# KiCad board visionboard.kicad_pcb (continued)
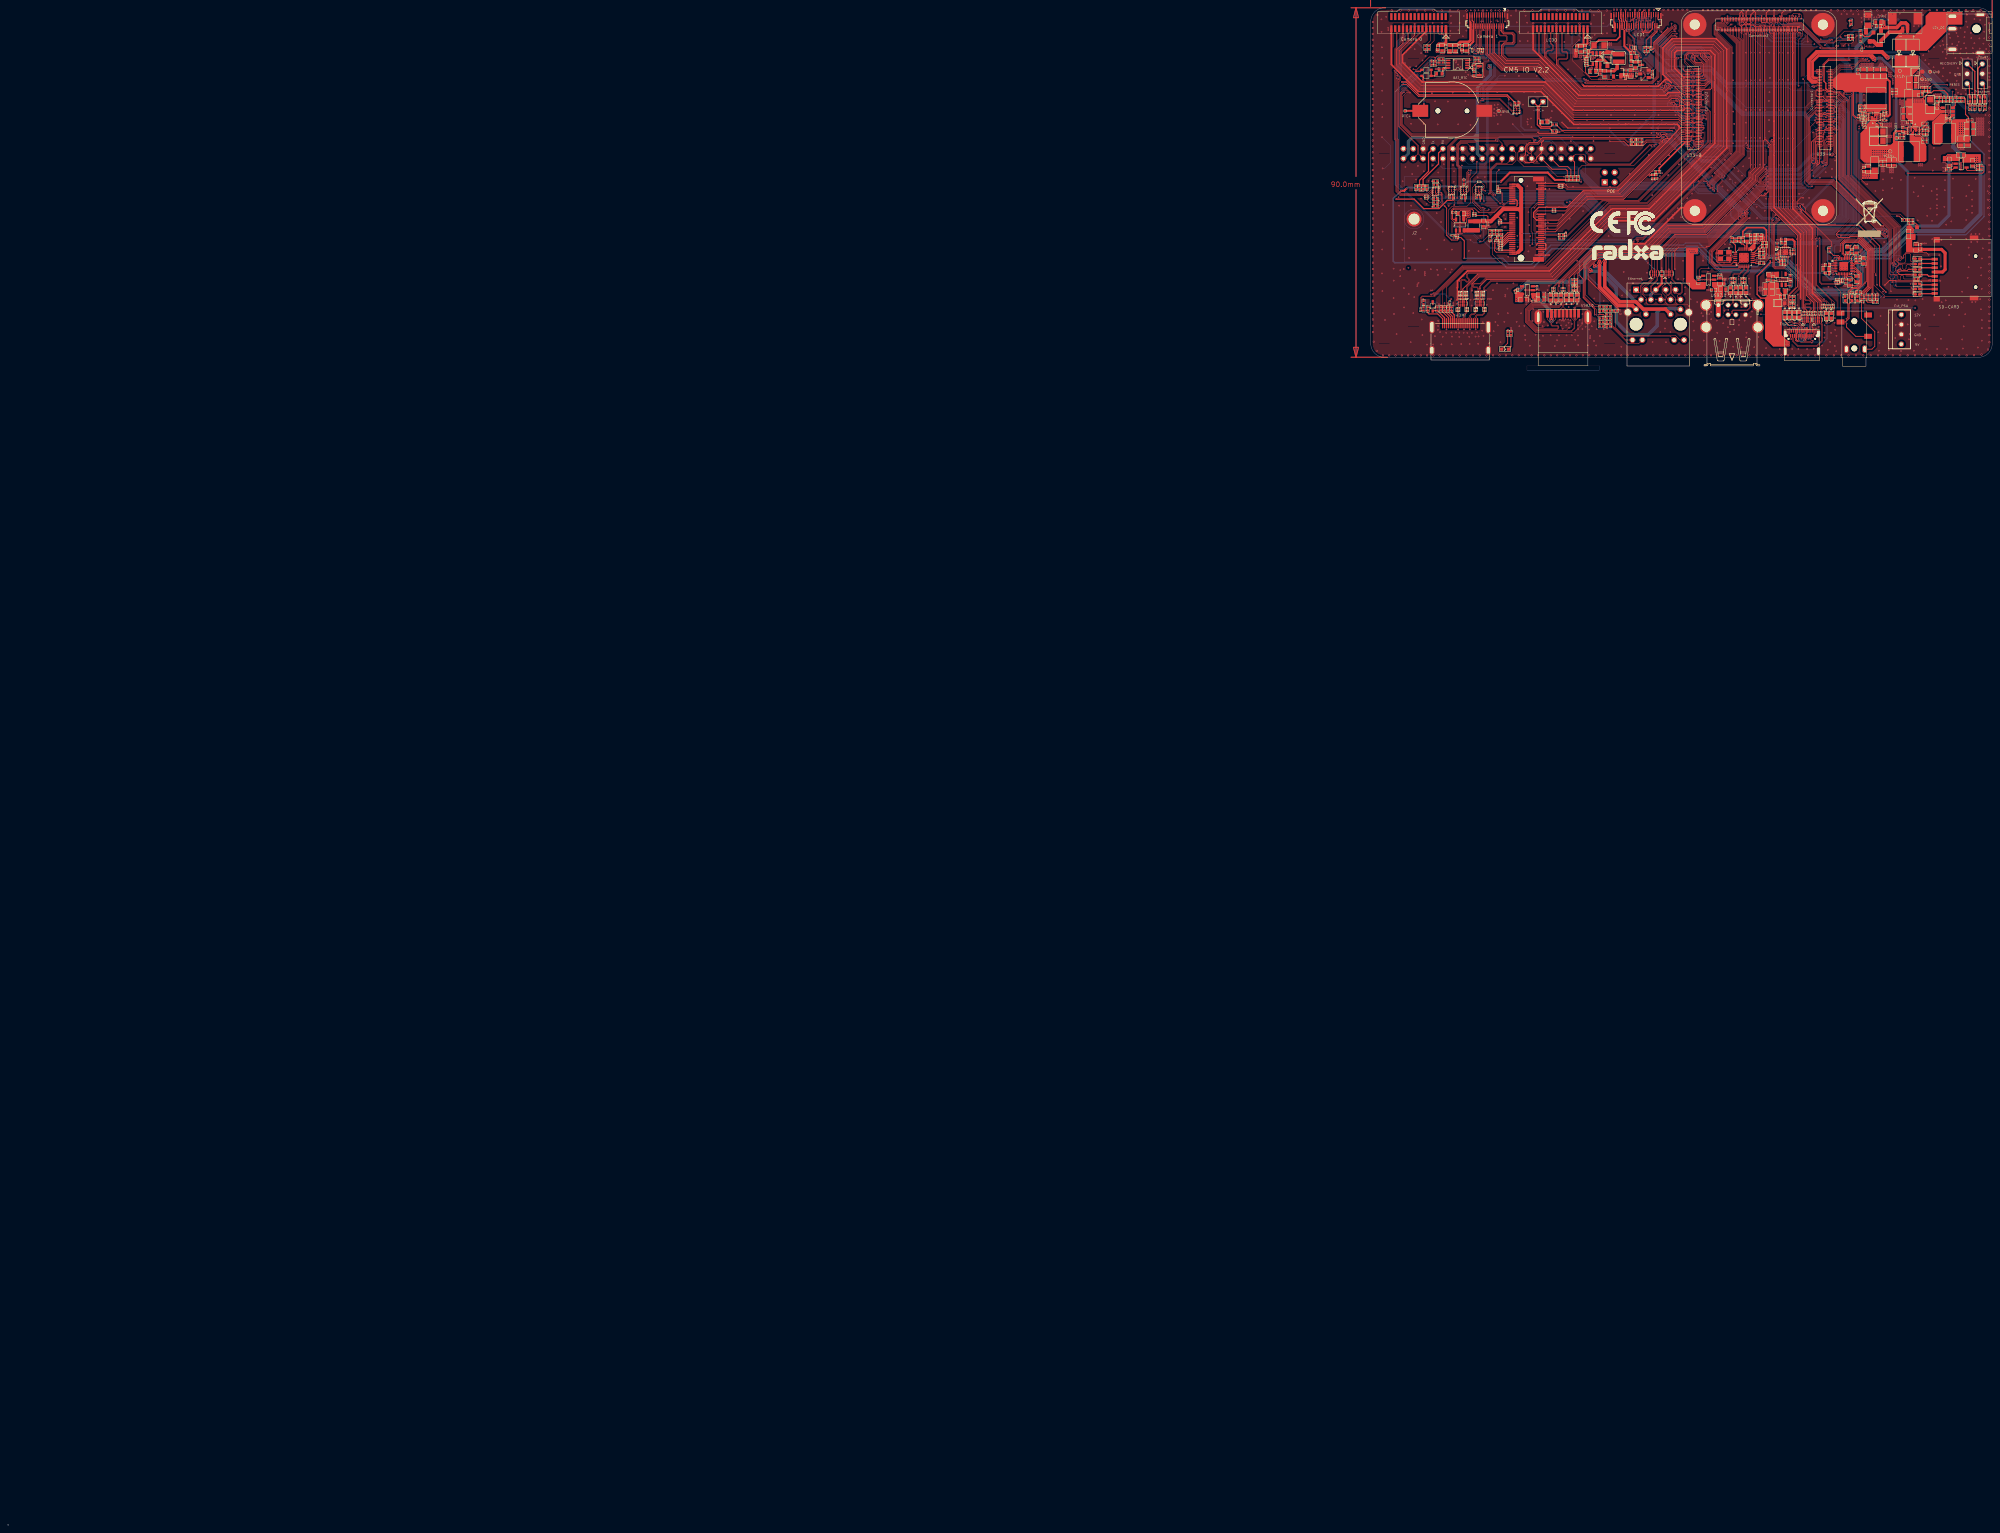
[diagram p0: board, top side]
## Routing (per net, layer and track width the routed paths; a pad name or vN(x,y) marks a point on that pad's centre or on a via; arc(x,y) is an arc through that point) (continued)
  Bottom w0.1: v1(452.73,345.69) 452.88,345.54 461.78,345.54 466.96,350.72 v1(466.96,351.14)
PHY1_MDI2-: length 71.3
  Top w0.1: v1(467.31,350.74) 467.31,351.04 467.81,351.54 467.81,356.47 468.21,356.87 468.66,356.87 468.75,356.78 U33.9 ; v1(452.73,345.19) 452.7,345.19 437.88,330.37 430.09,330.37 427.03,327.31 427.03,323.22 427.19,323.07 U6.9 U6.2 427.19,321.69 427.03,321.54 427.03,320.37 428.23,319.17 428.23,317.37 427.63,316.77 427.31,316.77 427.11,316.57 427.11,316.07 427.53,315.65 J3.8
  Bottom w0.1: v1(467.31,350.74) 461.91,345.34 452.88,345.34 v1(452.73,345.19)
PHY1_MDI3+: length 71.2
  Top w0.1: U33.3 468.67,355.58 468.43,355.34 468.43,350.74 468.11,350.42 v1(468.01,350.42) ; v1(452.83,344.39) 452.67,344.23 452.3,344.23 437.92,329.84 430.31,329.84 428.33,327.86 428.33,323.21 428.19,323.07 U6.7 U6.4 428.19,321.67 428.33,321.52 428.33,320.87 429.38,319.82 430.62,319.82 430.93,319.51 430.93,317.58 430.5,317.14 429.18,317.14 428.93,317.39 428.93,318.04 429.07,318.19 J3.9
  Bottom w0.1: v1(468.01,350.42) 468.16,350.27 468.16,349.99 462.66,344.49 452.93,344.49 v1(452.83,344.39)
PHY1_MDI3-: length 71.4
  Top w0.1: J3.10 430.55,315.65 429.88,316.32 429.88,316.72 430.11,316.94 430.58,316.94 431.13,317.49 431.13,319.59 430.71,320.02 429.48,320.02 428.56,320.94 428.56,321.56 428.69,321.69 U6.5 U6.6 428.69,323.07 428.53,323.22 428.53,327.76 430.39,329.62 437.98,329.62 452.38,344.03 452.68,344.03 v1(452.83,343.88) ; U33.5 468.76,355.98 468.23,355.45 468.23,350.99 468.12,350.88 v1(468.08,350.92)
  Bottom w0.1: v1(452.83,343.88) 453.25,344.29 462.76,344.29 468.36,349.89 468.36,350.64 v1(468.08,350.92)
PWM4_M0: length 19.2
  Top w0.1: v1(478.01,380.37) 478.01,381.34 R214.2 ; v1(479.23,377.14) 479.06,376.97 477.01,376.97 474.88,374.84 471.96,374.84 469.89,372.78 U33.89
  Bottom w0.1: v1(479.23,377.14) 477.81,377.14 477.38,377.57 477.38,379.74 v1(478.01,380.37)
PWM11_M3: length 23.4
  Top w0.1: J24.18 457.57,387.35 457.71,387.21 457.71,387.2 458.24,386.67 461.58,386.67 466.36,381.89 470.03,381.89 472.91,384.77 R215.2
PWM15_M1: length 73.1
  Top w0.1: v1(468.36,359.24) 468.36,359.21 469.25,359.21 U33.21 ; R95137.1 R95073.1
  Top w0.25: v1(405.78,377.62) R95073.1
  Bottom w0.1: v1(405.78,377.62) 406.91,378.74 420.22,378.74 421.3,377.66 421.81,377.66 427.46,372.02 437.39,372.02 446.44,362.97 462.46,362.97 465.81,359.62 467.98,359.62 v1(468.36,359.24)
PWRON_L: length 47.4
  Top w0.1: v1(507.73,364.22) R95495.1 ; v1(478.28,377.54) 478.11,377.37 476.81,377.37 475.73,376.29 471.62,376.29 470.11,374.78 U33.99
  Bottom w0.1: v1(507.73,364.22) 507.46,363.94 505.61,363.94 504.63,364.92 503.78,364.92 489.36,379.34 480.08,379.34 v1(478.28,377.54)
RESET_L: length 50.5
  Top w0.1: v1(505.71,364.34) 505.63,364.34 R95584.1 ; U33.92 467.08,373.18 467.33,373.43 467.33,376.27 468.88,377.82 477.63,377.82 v1(477.73,377.72)
  Bottom w0.1: v1(477.73,377.72) 477.73,377.69 479.58,379.54 489.46,379.54 503.88,365.12 504.93,365.12 v1(505.71,364.34)
RSTB_CTP1: length 4.5
  Top w0.1: R95597.2 366.03,340.67 365.48,341.22 R95469.1 365.83,341.74 366.73,342.64 U90089.D1
RTC_32K_IN: length 66.8
  Top w0.1: R95028.2 v1(366.58,377.42) ; v1(379.01,330.59) 379.73,330.59 R95155.1
  Bottom w0.1: v1(366.58,377.42) 358.06,368.89 358.06,345.22 370.98,332.29 377.31,332.29 v1(379.01,330.59)
RTC_32K_SOC: length 111.9
  Top w0.1: J24.90 443.17,386.95 442.48,386.27 440.42,386.27 440.11,385.95 440.11,384.26 443.77,380.6 443.77,353.79 421,331.02 v1(419.68,331.02) ; R95614.1 381.71,331.78 v1(382.16,332.09) 382.16,332.12 R95581.1
  Bottom w0.1: v1(382.16,332.09) 382.16,330.89 382.41,330.64 383.33,330.64 383.51,330.82 418.08,330.82 418.43,331.17 419.53,331.17 v1(419.68,331.02)
RTC_INT_L: length 82.8
  Top w0.1: v1(428.38,386.72) 428.38,386.04 424.11,381.77 424.11,379.79 v1(423.68,379.37) ; R95375.2 R121.1 379.17,376.94 v1(379.17,376.9) ; v1(444.76,385.99) 444.76,385.18 J24.81
  Power w0.1: v1(444.76,385.99) 444.76,385.12 443.73,384.09 431.7,384.09 429.08,386.72 v1(428.38,386.72)
  Bottom w0.1: v1(423.68,379.37) 422.71,380.34 378.26,380.34 378.08,380.52 376.88,380.52 376.63,380.27 376.63,378.67 378.4,376.9 v1(379.17,376.9)
SARADC_VIN0_BOOT: length 49
  Top w0.1: U33.93 469.76,373.58 471.75,375.57 475.31,375.57 476.91,377.17 478.41,377.17 v1(478.78,377.54) ; v1(508.63,364.19) 508.83,364.44 508.83,364.64 R95582.1
  Bottom w0.1: v1(508.63,364.19) 508.16,363.72 505.55,363.72 504.55,364.72 503.66,364.72 489.23,379.14 480.38,379.14 v1(478.78,377.54)
SARADC_VIN1_KEY/RECOVERY: length 70.3
  Top w0.1: R95585.1 506.43,364.77 v1(506.43,364.29) ; v1(471.31,380.99) 470.68,380.37 467.28,380.37 461.38,386.27 457.38,386.27 457.16,386.49 456.68,386.49 456.29,386.88 456.29,386.88 455.97,387.2 J24.26
  Bottom w0.1: v1(471.31,380.99) 471.31,381.69 472.11,382.49 473.25,382.49 475.65,384.89 477.82,384.89 480.45,387.52 486.71,387.52 488.96,385.28 488.96,380.37 504.01,365.32 505.23,365.32 506.26,364.29 v1(506.43,364.29)
SARADC_VIN2_DC: length 63.8
  Top w0.1: v1(499.38,370.97) 495.58,370.97 R153.1 ; J24.28 455.57,387.09 455.72,386.94 v1(455.68,386.94)
  Bottom w0.1: v1(499.38,370.97) 498.98,370.97 489.36,380.59 489.36,385.44 486.88,387.92 480.28,387.92 477.66,385.29 475.48,385.29 473.08,382.89 469.16,382.89 468.48,382.22 465.87,382.22 461.32,386.77 455.86,386.77 v1(455.68,386.94)
SARADC_VIN3_HP_HOOK: length 94.8
  Top w0.1: R7314.1 481.33,315.07 C7322.1 R7315.2 480.83,316.29 480.83,317.04 480.28,317.59 480.28,328.64 476.83,332.09 472.01,332.09 v1(471.96,332.04) ; v1(455.18,386.99) 455.18,387.82 J24.30
  Bottom w0.1: v1(455.18,386.99) 455.18,386.72 455.33,386.57 461.24,386.57 465.85,381.96 467.81,381.96 473.51,376.26 473.51,372.24 475.11,370.64 475.11,335.44 471.98,332.31 471.98,332.04 v1(471.96,332.04)
SARADC_VIN4: length 112.4
  Top w0.1: v1(423.18,355.24) 422.64,355.24 417.76,350.37 406.64,350.37 405.74,351.27 ; v1(464.56,344.82) 464.41,344.67 463.6,344.67 462.57,345.7 462.57,372.11 v1(462.23,372.44) ; U33.96 466.59,373.99 v1(465.76,373.99)
  Top w0.5: CON1.37 405.74,351.27
  Bottom w0.1: v1(423.18,355.24) 423.51,354.92 424.15,354.92 424.71,355.47 424.71,355.79 423.98,356.52 423.98,359.26 425.86,361.14 429.98,361.14 433.81,357.32 433.81,357.01 433.56,356.76 433.56,356.33 435.03,354.86 439.92,354.86 452.66,342.12 461.86,342.12 v1(464.56,344.82) ; v1(465.76,373.99) 463.78,373.99 v1(462.23,372.44)
SD_PWR_ON: length 46.3
  Top w0.1: R95613.2 487.23,337.67 484.71,337.67 474.68,347.69 474.68,368.16 474.4,368.44 472.53,368.44 471.66,369.32 470.44,369.32 469.78,369.98 U33.75
  Top w0.2: R95613.2 R13.2
SDMMC_CLK: length 61.6
  Top w0.1: U33.57 470.01,366.38 471.31,365.08 471.31,346.66 484.33,333.64 484.33,321.44 484.83,320.94 485.46,320.94 485.76,321.24 485.76,321.69 485.91,321.84 486.43,321.84 486.66,321.62 486.66,320.87 486.83,320.69 487.16,320.69 487.33,320.87 487.33,321.67 487.48,321.82 487.96,321.82 488.11,321.67 488.11,321.14 488.31,320.94 R11.1
SDMMC_CMD: length 68.8
  Top w0.051: 491.95,323.53 492.14,323.53 ; 491.92,323.28 492.11,323.28 ; 491.88,323.46 492.07,323.46 ; 491.87,323.33 492.06,323.33 ; 491.81,323.38 492,323.38 ; 491.83,323.35 492.02,323.35 ; 491.99,323.57 492.18,323.57 ; 491.99,323.2 492.18,323.2 ; 491.91,323.49 492.1,323.49 ; 491.85,323.43 492.04,323.43 ; 491.9,323.3 492.09,323.3 ; 491.82,323.41 492.01,323.41 ; 491.95,323.24 492.14,323.24
  Top w0.1: v1(467.43,367.17) 467.42,367.18 U33.62 ; v1(486.86,326.02) 486.86,334.34 473.61,347.59 473.61,366.84 v1(473.48,366.97) ; v1(486.86,322.89) 491.82,322.89 ED13.1
  Top w0.3: ED13.1 492.77,323.84 CN14A1.3
  Bottom w0.1: v1(467.43,367.17) 473.28,367.17 v1(473.48,366.97) ; v1(486.86,322.89) v1(486.86,326.02)
SDMMC_D0: length 69
  Top w0.051: 491.85,319.71 492.04,319.71 ; 492.01,319.87 492.2,319.87 ; 491.93,319.79 492.12,319.79 ; 491.9,319.63 492.09,319.63 ; 491.92,319.6 492.11,319.6 ; 491.97,319.54 492.16,319.54 ; 492.01,319.5 492.2,319.5 ; 491.86,319.65 492.05,319.65 ; 491.97,319.83 492.16,319.83 ; 491.87,319.73 492.06,319.73 ; 491.91,319.76 492.1,319.76 ; 491.83,319.68 492.02,319.68 ; 491.95,319.58 492.14,319.58
  Top w0.1: U33.63 470.93,367.58 472.11,366.4 472.11,347.19 485.43,333.87 485.43,325.17 v1(485.28,325.02) ; ED11.1 491.87,320.17 485.18,320.17 v1(485.18,320.14)
  Top w0.3: ED11.1 492.59,319.44 CN14A1.7
  Bottom w0.1: v1(485.18,320.14) 485.21,320.17 485.21,324.94 v1(485.28,325.02)
SDMMC_D1: length 70
  Top w0.051: 491.97,318.19 492.16,318.19 ; 492.01,318.52 492.2,318.52 ; 491.83,318.33 492.02,318.33 ; 491.93,318.44 492.12,318.44 ; 491.87,318.38 492.06,318.38 ; 491.92,318.25 492.11,318.25 ; 491.95,318.23 492.14,318.23 ; 492.01,318.15 492.2,318.15 ; 491.97,318.48 492.16,318.48 ; 491.91,318.41 492.1,318.41 ; 491.9,318.28 492.09,318.28 ; 491.85,318.36 492.04,318.36 ; 491.86,318.3 492.05,318.3
  Top w0.1: v1(486.03,319.32) 486.36,318.99 491.69,318.99 ED10.1 ; v1(486.03,324.74) 485.86,324.92 485.86,334.14 472.53,347.47 472.53,366.7 470.86,368.38 U33.67
  Top w0.3: ED10.1 CN14A1.8
  Bottom w0.1: v1(486.03,319.32) v1(486.03,324.74)
SDMMC_D2: length 68.5
  Top w0.051: 491.87,326.13 492.06,326.13 ; 491.85,326.23 492.04,326.23 ; 491.83,326.15 492.02,326.15 ; 491.92,326.08 492.11,326.08 ; 491.95,326.04 492.14,326.04 ; 491.82,326.21 492.01,326.21 ; 491.81,326.18 492,326.18 ; 491.91,326.29 492.1,326.29 ; 491.95,326.33 492.14,326.33 ; 491.99,326.37 492.18,326.37 ; 491.99,326 492.18,326 ; 491.9,326.1 492.09,326.1 ; 491.88,326.26 492.07,326.26
  Top w0.1: ED15.1 491.49,325.37 490.16,325.37 489.96,325.57 489.96,327.19 489.68,327.47 488.81,327.47 488.53,327.19 488.53,325.29 488.28,325.04 486.96,325.04 486.26,325.74 486.26,334.37 472.93,347.69 472.93,367.33 471.48,368.78 U33.69
  Top w0.3: ED15.1 492.32,326.04 CN14A1.1
SDMMC_D3: length 68.7
  Top w0.051: 491.82,324.81 492.01,324.81 ; 491.99,324.6 492.18,324.6 ; 491.83,324.75 492.02,324.75 ; 491.99,324.97 492.18,324.97 ; 491.88,324.86 492.07,324.86 ; 491.91,324.89 492.1,324.89 ; 491.85,324.83 492.04,324.83 ; 491.9,324.7 492.09,324.7 ; 491.95,324.93 492.14,324.93 ; 491.95,324.64 492.14,324.64 ; 491.87,324.73 492.06,324.73 ; 491.81,324.78 492,324.78 ; 491.92,324.68 492.11,324.68
  Top w0.1: U33.61 470.23,367.18 471.71,365.7 471.71,346.83 484.73,333.8 484.73,323.02 485.08,322.67 485.63,322.67 486.03,323.07 486.03,323.67 486.98,324.62 487.73,324.62 487.91,324.44 487.91,323.64 488.13,323.42 488.51,323.42 488.76,323.67 488.76,324.32 489.06,324.62 489.66,324.62 490.16,324.12 491.64,324.12 ED14.1
  Top w0.3: CN14A1.2 492.47,324.94 ED14.1
SDMMC_DET_L: length 31.9
  Top w0.1: v1(446.38,386.99) 446.38,387.82 J24.74 ; v1(471.91,383.27) 472.43,382.74 R90334.1
  Power w0.1: v1(465.16,381.44) 465.26,381.44 466.48,382.67 v1(466.78,382.67)
  Bottom w0.1: v1(466.78,382.67) 468.63,382.67 469.06,383.09 471.73,383.09 v1(471.91,383.27) ; v1(446.38,386.99) 446.51,386.99 447.81,385.69 450.34,385.69 454.04,381.99 459.99,381.99 460.56,381.42 465.16,381.42 v1(465.16,381.44)
SENSOR_INT_LCD1: length 9.7
  Top w0.1: R95541.1 422.01,380.82 422.01,382.42 424.33,384.74 U90104.3
SPIO_CLK_M1: length 135.1
  Top w0.1: 386.66,351.34 385.91,350.59 383.33,350.59 381.88,349.14 381.88,343.27 v1(382.51,342.64) ; v1(467.51,360.84) 467.44,360.78 U33.30
  Top w0.4: 386.66,351.34 CON1.23
  Bottom w0.1: v1(467.51,360.84) 467.56,360.79 470.74,360.79 471.88,359.65 471.88,337.47 469.38,334.97 414.98,334.97 407.08,342.87 382.71,342.87 382.48,342.64 v1(382.51,342.64)
SPIO_CS0M1: length 137.7
  Top w0.1: v1(470.13,361.14) 469.25,361.14 U33.31 ; 387.85,353.91 388.32,353.44 388.32,351.41 387.31,350.39 383.41,350.39 382.08,349.06 382.08,343.56 383.08,342.57 v1(383.03,342.52)
  Top w0.4: CON1.24 387.85,353.91
  Bottom w0.1: v1(470.13,361.14) 471.83,361.14 472.08,360.89 472.08,337.37 469.48,334.77 414.88,334.77 406.98,342.67 383.18,342.67 v1(383.03,342.52)
SPIO_MISO_M1: length 155
  Top w0.1: U33.100 466.59,374.77 v1(465.78,374.79) ; 384.73,351.18 384.73,350.98 384.54,350.79 383.25,350.79 381.68,349.23 381.68,342.97 v1(384.26,340.39)
  Top w0.4: 384.73,351.18 CON1.21
  Bottom w0.1: v1(465.78,374.79) 466.43,374.79 467.18,374.04 467.18,372.32 468.13,371.37 470.94,371.37 473.33,368.98 473.33,368.32 474.48,367.17 474.48,336.27 470.58,332.37 413.66,332.37 406.08,339.94 401.16,339.94 400.43,340.67 384.48,340.67 384.26,340.44 v1(384.26,340.39)
SPIO_MOSI_M1: length 131.7
  Top w0.1: v1(467.53,360.34) 467.51,360.37 466.59,360.37 U33.28 ; 381.59,351.35 381.48,351.24 381.48,343.07 v1(381.33,342.92)
  Top w0.4: 381.59,351.35 CON1.19
  Bottom w0.1: v1(467.53,360.34) 467.78,360.59 470.66,360.59 471.68,359.57 471.68,337.57 469.28,335.17 415.08,335.17 407.18,343.07 381.48,343.07 v1(381.33,342.92)
SSRX_1N: length 32.6
  Top w0.1: R91181.2 397.63,317.13 D90034.1 397.28,316.85 397.35,316.85 397.85,316.35 397.85,315.23 397.29,314.67 392.43,314.67 390.88,313.12 390.88,309.92 393.41,307.39 402.63,307.39 403.48,308.24 403.48,310.17 404.16,310.84 404.16,311.82 USB2502.5
SSRX_1P: length 32.4
  Top w0.1: R91182.2 397.83,317.54 397.83,317.09 398.15,316.78 D90033.1 398.46,316.78 398.06,316.38 398.06,315.15 397.37,314.47 392.51,314.47 391.08,313.04 391.08,310 393.49,307.59 402.53,307.59 403.28,308.34 403.28,310.17 402.71,310.74 402.71,311.82 USB2502.6
SSTX_1N: length 30.4
  Top w0.1: C2280.2 400.13,317.12 399.91,316.89 D90035.1 400.48,316.21 400.48,315.23 399.31,314.07 392.68,314.07 391.48,312.87 391.48,310.17 393.65,307.99 399.01,307.99 399.36,308.34 399.36,308.74 399.08,309.02 397.68,309.02 397.53,309.17 397.53,309.57 398.43,310.47 USB2502.8
SSTX_1P: length 30.5
  Top w0.1: USB2502.9 396.43,310.49 397.33,309.59 397.33,309.09 397.6,308.82 399,308.82 399.16,308.66 399.16,308.43 398.92,308.19 393.74,308.19 391.68,310.25 391.68,312.79 392.76,313.87 399.39,313.87 400.71,315.18 400.71,316.23 D90037.1 400.75,316.8 400.36,317.19 400.36,317.62 C2281.2
TP_INT_L: length 141.3
  Top w0.1: v1(470.46,362.14) 470.22,362.38 U33.37 ; R95596.1 368.66,339.77 369.43,340.54 369.43,342.79 v1(369.11,343.12) 369.08,343.14 U90089.C3
  Bottom w0.1: v1(470.46,362.14) 471.91,362.14 472.28,361.77 472.28,337.27 469.58,334.57 414.78,334.57 406.88,342.47 383.53,342.47 383.23,342.17 370.06,342.17 v1(369.11,343.12)
TP_RST_L: length 141.8
  Top w0.1: v1(470.16,362.84) 470.09,362.78 U33.39 ; R95597.1 368.01,340.49 368.76,340.49 369.08,340.82 v1(369.08,342.59) 369.08,342.64 U90089.D3
  Bottom w0.1: v1(470.16,362.84) 470.28,362.72 472.16,362.72 472.68,362.19 472.68,337.07 469.78,334.17 414.58,334.17 406.68,342.07 383.7,342.07 383.4,341.77 373.63,341.77 373.31,341.44 372.96,341.44 372.43,341.97 369.71,341.97 v1(369.08,342.59)
TR0: length 45.4
  Top w0.5: v2(409.53,325.04) v1(409.83,325.54) v2(410.11,325.04) v2(409.53,325.04)
  Top w0.9: v1(409.83,325.54) 409.83,318.87 414.61,314.09 418.27,314.09 J3.11
  Power w0.1: 409.83,325.87 409.83,325.87
  Power w0.5: v2(410.11,325.04) 410.11,325.27 v1(409.83,325.54) v2(409.53,325.04) v2(410.11,325.04)
  Power w0.9: J4.2 409.83,347.03 409.83,325.87 ; v1(409.83,325.54) 409.83,325.87
TR1: length 52.8
  Top w0.5: v2(408.48,324.09) v2(408.98,324.37) v2(408.48,324.64) v2(408.48,324.09)
  Power w0.5: v2(408.48,324.09) 408.64,324.03 v2(408.98,324.37) 408.48,324.87 v2(408.48,324.64)
  Power w0.9: v2(408.48,324.09) v2(408.48,324.64) ; 408.48,324.87 408.48,347.36 410.69,349.57 412.54,349.57 J4.1
  Bottom w0.5: v2(408.98,324.37) v2(408.48,324.64) v2(408.48,324.09)
  Bottom w0.9: J3.12 421.78,312.44 410.13,324.09 v2(408.48,324.09)
TR2: length 49.3
  Top w0.5: v2(410.88,325.39) 410.88,325.49 v1(411.18,325.79) v2(411.43,325.37)
  Top w0.9: v1(411.18,325.79) 411.18,318.93 415.02,315.09 419.2,315.09 421.1,313.19 426.79,313.19 J3.13
  Power w0.5: v2(410.88,325.39) v2(411.43,325.37) v1(411.18,325.79) v2(410.88,325.39)
  Power w0.9: v1(411.18,325.79) 411.18,325.79 J4.4
TR3: length 82.1
  Top w0.5: v2(407.33,322.87) v2(407.91,322.99) v2(407.48,323.39) v2(407.33,322.87)
  Power w0.5: v2(407.33,322.87) v2(407.91,322.99) v2(407.48,323.39) 407.33,323.39 v2(407.33,322.87)
  Power w0.9: v2(407.48,323.39) 407.48,347.77 410.28,350.57 413.21,350.57 414.91,348.87 414.91,347.03 J4.3
  Bottom w0.5: v2(407.91,322.99) v2(407.33,322.87) 407.33,323.24 v2(407.48,323.39)
  Bottom w0.9: v2(407.48,323.39) 407.93,322.94 409.86,322.94 414.13,318.67 414.13,309.92 417.46,306.59 422.36,306.59 424.66,308.89 424.66,312.37 425.58,313.29 430.5,313.29 J3.14
TYPEC0_CC1: length 28
  Top w0.1: C2612.1 459.87,328.34 460.26,327.95 460.26,318.74 458.31,316.79 458.31,314.24 456.98,312.92 456.98,311.66 ESD2702.1 ; C2612.1 459.85,328.36 U2602.10 ; C2612.1 459.11,329.07 U2602.11
  Top w0.15: J8202.A5 461.24,308.47 460.79,308.92 458.71,308.92 457.56,310.07 ESD2702.1
TYPEC0_CC2: length 48.7
  Top w0.1: 456.01,329.07 U2602.14 ; 456.01,329.07 v1(456.01,329.12) ; 456.01,329.07 455.63,329.07 455.55,329.16 C2613.1 455.58,329.23 455.58,328.57 455.79,328.36 U2602.1 ; 462.51,306.31 J8202.B5 462.41,306.22 462.41,305.01 462.64,304.77 464.03,304.77 464.33,305.07 464.56,305.07 v1(464.73,305.02) ; v1(465.96,329.42) 465.98,329.39 465.78,329.2 465.78,319.42 470.38,314.82 470.38,311.71 ESD2701.1 469.51,310.17 468.96,309.62 v1(468.21,309.62)
  Bottom w0.1: v1(465.96,329.42) 465.66,329.72 456.61,329.72 v1(456.01,329.12) ; v1(464.73,305.02) 465.03,304.72 467.38,304.72 468.38,305.72 468.38,309.44 v1(468.21,309.62)
TYPEC0_OTG_DM: length 62.9
  Top w0.1: R91188.1 459.91,316.94 461.24,318.27 461.24,332.39 454.41,339.22 454.41,356.14 v1(454.23,356.32) ; U33.103 435.18,355.61 v1(436.02,355.61)
  Bottom w0.1: v1(454.23,356.32) 454.13,356.42 437.34,356.42 436.67,355.74 436.16,355.74 v1(436.02,355.61)
TYPEC0_OTG_DP: length 63.9
  Top w0.1: v1(436.08,356.11) 436.08,356.13 435.93,355.98 U33.105 ; v1(454.21,356.82) 453.88,356.49 453.88,356.17 454.21,355.84 454.21,339.12 461.04,332.29 461.04,318.37 R91189.1
  Bottom w0.1: v1(454.21,356.82) 454.06,356.67 437.31,356.67 436.6,355.96 436.23,355.96 v1(436.08,356.11)
TYPEC0_SBU1: length 75.2
  Top w0.1: C2010.1 468.93,314.64 468.26,315.32 467.56,315.32 465.18,317.69 465.18,334.25 460.17,339.27 460.17,384.49 460.37,384.69 J24.3
TYPEC0_SBU1_DC: length 93.2
  Top w0.1: v1(469.73,382.54) 469.56,382.72 469.08,382.72 468.68,382.32 466.53,382.32 461.78,387.07 459.67,387.07 459.57,387.17 J24.8 ; v1(465.73,330.87) 465.72,330.88 465.58,330.74 465.58,319.32 469.51,315.39 R2004.1
  Bottom w0.1: v1(469.73,382.54) 469.73,382.19 470.13,381.79 470.13,380.22 473.91,376.44 473.91,372.44 475.51,370.84 475.51,334.82 471.41,330.72 465.91,330.72 465.74,330.88 v1(465.73,330.87)
TYPEC0_SBU2: length 74.9
  Top w0.1: J24.5 459.97,339.17 464.98,334.15 464.98,317.59 467.46,315.12 468.16,315.12 468.31,314.97 C2011.1
TYPEC0_SBU2_DC: length 93.6
  Top w0.1: v1(467.66,315.72) 465.38,317.99 465.38,331.17 v1(465.56,331.34) ; R2007.1 467.71,314.49 v1(467.66,314.54) ; J24.14 458.37,387.06 458.56,386.87 461.68,386.87 466.46,382.09 468.98,382.09 v1(469.26,382.37)
  Bottom w0.1: v1(467.66,314.54) v1(467.66,315.72) ; v1(469.26,382.37) 469.93,381.69 469.93,380.12 473.71,376.34 473.71,372.34 475.31,370.74 475.31,335.35 472.48,332.53 472.48,332.07 471.33,330.92 466.18,330.92 465.76,331.34 v1(465.56,331.34)
TYPEC0_SSRX1N: length 76.2
  Top w0.1: R2013.1 466.71,312.56 466.71,312.97 466.41,313.27 466.41,314.85 464.06,317.2 464.06,333.74 458.88,338.92 458.88,384.58 458.77,384.69 J24.11
TYPEC0_SSRX1P: length 76.2
  Top w0.1: J24.9 459.18,385.18 459.18,384.69 459.08,384.59 459.08,339.02 464.26,333.84 464.26,317.28 466.61,314.93 466.61,313.37 466.91,313.07 466.91,312.58 R2015.1
TYPEC0_SSRX2N: length 79.2
  Top w0.1: R2016.1 463.78,312.57 463.78,312.79 464.13,313.14 464.13,313.39 463.98,313.54 462.88,313.54 462.66,313.77 462.66,314.34 462.91,314.59 463.91,314.59 464.08,314.77 464.08,315.09 463.83,315.34 462.96,315.34 462.66,315.64 462.66,333.05 456.46,339.25 456.46,384.59 456.36,384.69 456.36,385.18 J24.23
TYPEC0_SSRX2P: length 79.2
  Top w0.1: R2017.1 463.98,312.57 463.98,312.71 464.33,313.06 464.33,313.49 464.08,313.74 462.97,313.74 462.86,313.85 462.86,314.24 463.01,314.39 463.99,314.39 464.28,314.69 464.28,315.18 463.91,315.54 463.06,315.54 462.86,315.74 462.86,333.15 456.66,339.35 456.66,384.56 456.77,384.67 J24.21
TYPEC0_SSTX1N: length 76.1
  Top w0.1: C2013.1 465.13,312.58 465.13,315.07 463.36,316.84 463.36,333.4 457.66,339.1 457.66,384.57 457.56,384.67 457.56,385.18 J24.17
TYPEC0_SSTX1P: length 76
  Top w0.1: J24.15 457.97,384.67 457.86,384.56 457.86,339.2 463.56,333.5 463.56,316.94 465.33,315.17 465.33,312.55 C2014.1
TYPEC0_SSTX2N: length 75.9
  Top w0.1: J24.29 455.16,385.18 455.16,384.69 455.26,384.59 455.26,339.4 461.96,332.7 461.96,313.44 462.38,313.02 462.38,312.54 C2019.1
TYPEC0_SSTX2P: length 75.9
  Top w0.1: J24.27 455.57,384.67 455.46,384.56 455.46,339.5 462.16,332.8 462.16,313.54 462.58,313.12 462.58,312.59 C2020.1
TYPEC5V_PWREN_H: length 80.7
  Top w0.1: v1(454.51,336.12) 454.35,335.96 454.35,324.12 454.93,323.54 458.76,323.54 459.01,323.29 R2611.1 458.56,322.24 U2603.4 ; v1(439.43,348.14) 439.43,348.42 444.98,353.97 444.98,381.56 441.97,384.58 J24.95
  Bottom w0.1: v1(454.51,336.12) 454.36,336.27 451.53,336.27 439.54,348.26 v1(439.43,348.14)
TYPEC_SBU1: length 15.7
  Top w0.1: ESD2703.1 461.21,311.13 461.16,311.13 461.57,311.53 v1(461.56,311.54) ; C2010.2 R2004.2 R2005.1 470.08,313.07 469.98,312.97 v1(469.16,312.97)
  Top w0.15: ESD2703.1 461.21,309.82 462.74,308.28 J8202.A8
  Bottom w0.1: v1(461.56,311.54) 462.28,311.54 462.61,311.87 468.06,311.87 v1(469.16,312.97)
TYPEC_SBU2: length 19.3
  Top w0.1: v1(464.51,304.57) 461.73,304.57 460.98,305.32 460.98,306.31 J8202.B8 ; R2006.1 R2007.2 C2011.2 468.78,313.17 468.78,311.41 ESD2704.1 468.43,310.83 v1(468.43,310.12)
  Bottom w0.1: v1(468.43,310.12) 468.58,309.97 468.58,305.64 467.44,304.49 464.58,304.49 v1(464.51,304.57)
TYPEC_SSRX1N: length 17.1
  Top w0.1: J8202.B10 459.99,305.96 459.76,305.72 459.76,304.95 460.91,303.79 465.73,303.79 467.03,305.09 467.03,309.24 466.91,309.37 466.58,309.37 466.46,309.49 466.46,309.69 466.52,309.75 U90040.4 ; U90040.4 U90040.7 466.52,311.47 R2013.2 ; U90040.4 466.52,309.83
TYPEC_SSRX1P: length 17.3
  Top w0.1: J8202.B11 459.49,305.98 459.56,305.92 459.56,304.87 460.83,303.59 465.83,303.59 467.23,304.99 467.23,309.34 467.02,309.56 U90040.5 U90040.6 467.02,311.77 R2015.2
TYPEC_SSRX2N: length 4.5
  Top w0.1: R2016.2 463.71,311.74 U90127.7 U90127.4 463.71,309.77 463.91,309.57 463.91,308.14 463.74,307.98 J8202.A10
TYPEC_SSRX2P: length 4.4
  Top w0.1: R2017.2 464.21,311.84 U90127.6 U90127.5 464.21,309.74 464.11,309.64 464.11,308.14 464.24,308 J8202.A11
TYPEC_SSTX1N: length 17.3
  Top w0.1: J8202.A3 460.23,307.61 460.23,308.19 v1(460.08,308.34) ; C2013.2 465.02,311.77 U90040.10 U90040.1 465.03,310.01 v1(465.03,309.42)
  Bottom w0.1: v1(465.03,309.42) 465.33,309.72 465.33,310.24 464.98,310.59 457.26,310.59 457.05,310.39 457.05,309.5 457.31,309.24 458.96,309.24 459.51,308.69 459.96,308.69 460.08,308.57 v1(460.08,308.34)
TYPEC_SSTX1P: length 17.5
  Top w0.1: v1(465.53,309.42) 465.53,310.01 U90040.2 U90040.9 465.52,311.47 C2014.2 ; v1(459.58,308.34) 459.73,308.19 459.73,307.61 J8202.A2
  Bottom w0.1: v1(465.53,309.42) 465.53,310.34 465.08,310.79 457.16,310.79 456.83,310.47 456.83,309.42 457.21,309.04 458.88,309.04 v1(459.58,308.34)
TYPEC_SSTX2N: length 8.4
  Top w0.1: v1(462.21,309.42) U90127.1 U90127.10 C2019.2 ; v1(463.66,305.59) 463.51,305.74 463.51,306.31 J8202.B3
  Bottom w0.1: v1(462.21,309.42) 462.53,309.09 463.36,309.09 464.01,308.44 464.01,305.94 v1(463.66,305.59)
TYPEC_SSTX2P: length 8.1
  Top w0.1: J8202.B2 464.01,306.31 464.01,305.74 v1(464.16,305.59) ; v1(462.71,309.44) U90127.2 U90127.9 462.71,311.77 C2020.2
  Bottom w0.1: v1(462.71,309.44) 462.86,309.29 463.46,309.29 464.21,308.54 464.21,305.64 v1(464.16,305.59)
UART2_RX_M0: length 147.1
  Top w0.1: R168.2 365.38,344.12 v1(365.38,343.59) ; U33.51 469.97,365.18 v1(470.21,364.94)
  Bottom w0.1: v1(365.38,343.59) 365.38,342.79 366.41,341.77 368.82,341.77 369.92,340.67 383.43,340.67 384.03,341.27 406.28,341.27 414.18,333.37 470.16,333.37 473.48,336.69 473.48,363.72 472.26,364.94 v1(470.21,364.94)
UART2_TX_M0: length 153.3
  Top w0.1: U33.55 468.33,365.98 v1(468.33,366.02) ; v1(362.56,343.64) R167.2
  Bottom w0.1: v1(362.56,343.64) 362.56,343.14 363.13,342.57 365.31,342.57 366.31,341.57 368.74,341.57 369.84,340.47 383.51,340.47 384.11,341.07 401.51,341.07 402.03,340.54 406.41,340.54 413.98,332.97 470.32,332.97 473.88,336.53 473.88,363.92 471.93,365.87 468.48,365.87 v1(468.33,366.02)
USB1_DM: length 4
  Top w0.1: U17.11 447.76,323.91 447.91,323.77 447.91,323.04 446.78,321.92 446.78,321.43 446.59,321.24 L90027.2 446.59,321.06 446.45,320.92 446.45,320.92 R249.2
USB1_DP: length 4
  Top w0.1: U17.12 448.26,323.9 448.11,323.74 448.11,322.94 446.98,321.82 446.98,321.45 447.14,321.29 L90027.1 447.14,321.06 447.28,320.92 447.28,320.92 R250.2
